# Allegro board Microroc_Hardroc2b_Test_Board.brd (continued)
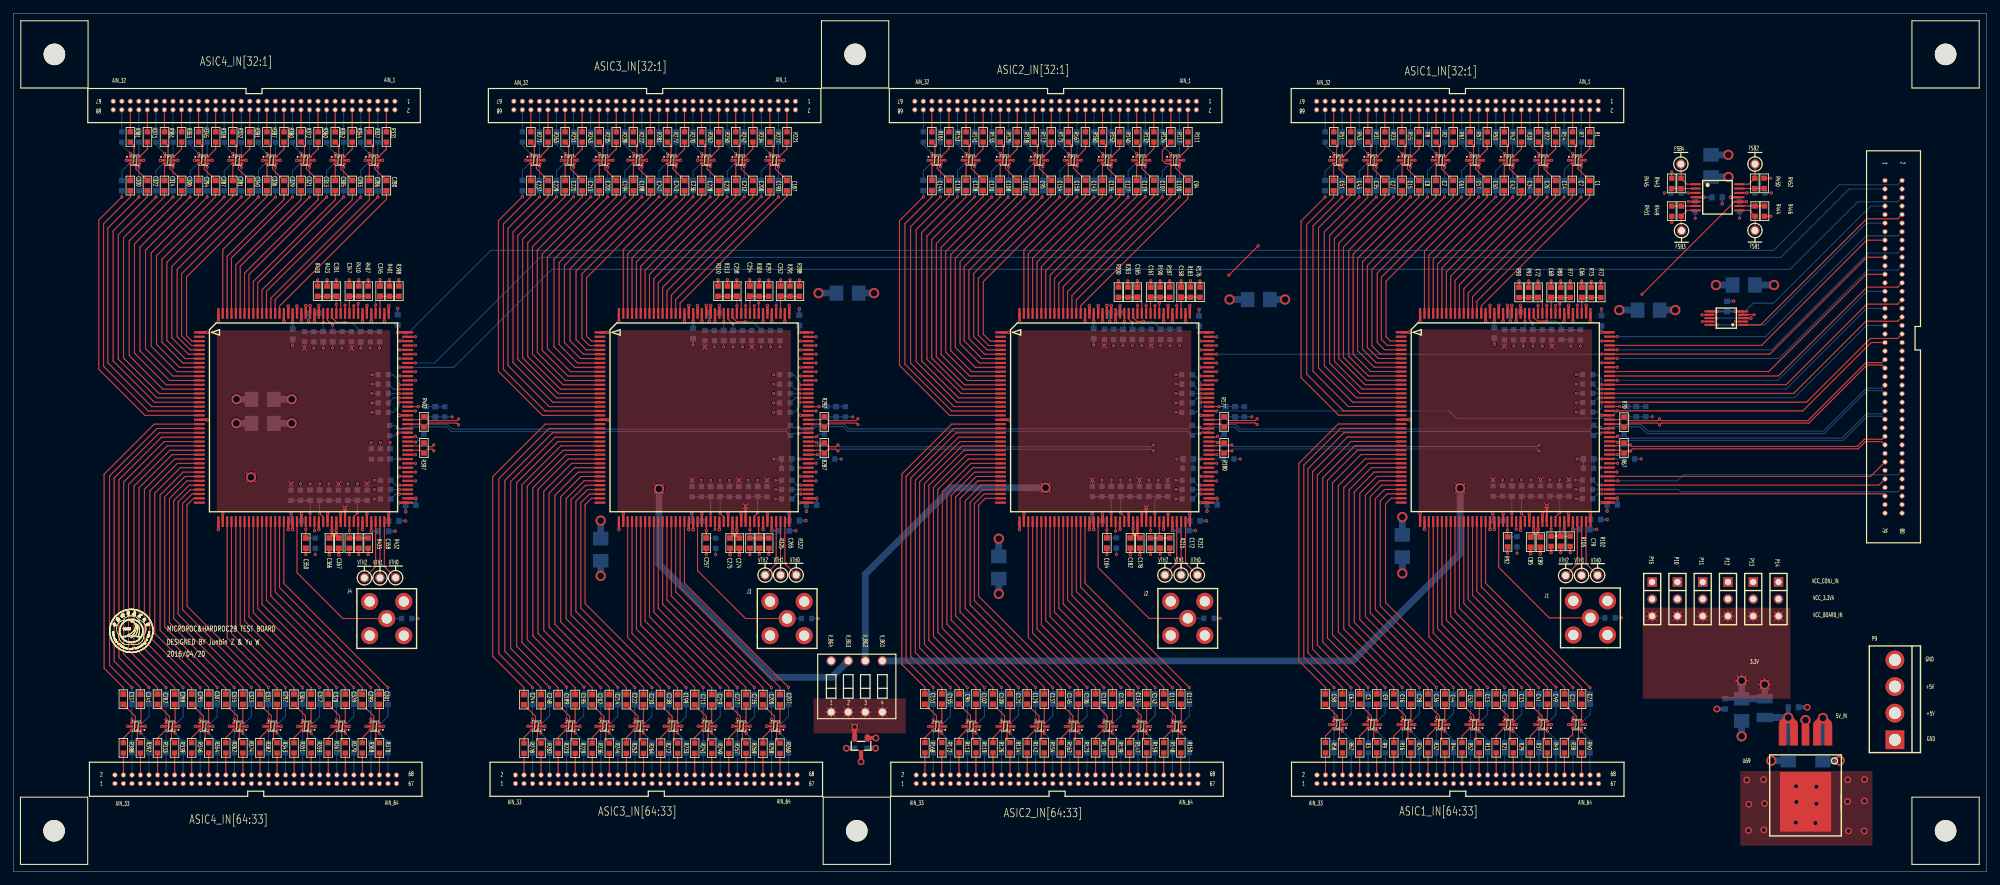
[diagram p0: board, top side]
## Routing (per net, layer and track width the routed paths; a pad name or vN(x,y) marks a point on that pad's centre or on a via; arc(x,y) is an arc through that point) (continued)
AIN37_ASIC4: length 47.4
  TOP w0.152: U68.26 22.44,64.02 16.41,57.99 16.41,32.41 21.44,27.38 C282.2
AIN38_ASIC1: length 48.6
  TOP w0.152: U17.27 199.61,63.39 194.84,58.62 194.84,34.16 v1(201.6,27.41)
  BOTTOM w0.152: v1(201.6,27.41) C6.2
AIN38_ASIC2: length 47.6
  TOP w0.152: v1(141.96,27.41) 135.56,33.81 135.56,57.76 141.17,63.37 U34.27
  BOTTOM w0.152: v1(141.96,27.41) C99.2
AIN38_ASIC3: length 48
  TOP w0.152: v1(82.32,27.46) 75.67,34.11 75.67,57.58 81.46,63.37 U51.27
  BOTTOM w0.152: v1(82.32,27.46) C192.2
AIN38_ASIC4: length 46.5
  TOP w0.152: U68.27 22.86,63.37 17.12,57.63 17.12,32.99 v1(22.71,27.41)
  BOTTOM w0.152: C285.2 v1(22.71,27.41)
AIN39_ASIC1: length 47.7
  TOP w0.152: C9.2 202.88,27.44 195.53,34.8 195.53,58.24 200.03,62.74 U17.28
AIN39_ASIC2: length 46.8
  TOP w0.152: U34.28 141.44,62.72 136.22,57.51 136.22,34.44 143.23,27.43 C102.2
AIN39_ASIC3: length 47
  TOP w0.152: U51.28 81.8,62.72 76.45,57.38 76.45,34.52 83.59,27.38 C195.2
AIN39_ASIC4: length 45.4
  TOP w0.152: C288.2 23.99,27.39 17.93,33.45 17.93,57.38 23.28,62.72 U68.28
AIN40_ASIC1: length 46.6
  TOP w0.152: v1(204.14,27.41) 196.29,35.26 196.29,57.86 200.52,62.09 U17.29
  BOTTOM w0.152: v1(204.14,27.41) C12.2
AIN40_ASIC2: length 45.9
  TOP w0.152: U34.29 141.8,62.07 136.91,57.18 136.91,35 v1(144.5,27.41)
  BOTTOM w0.152: v1(144.5,27.41) C105.2
AIN40_ASIC3: length 46
  TOP w0.152: v1(84.91,27.46) 77.29,35.08 77.29,57.12 82.24,62.07 U51.29
  BOTTOM w0.152: v1(84.91,27.46) 84.91,26.42 C198.2
AIN40_ASIC4: length 44.5
  TOP w0.152: v1(25.25,27.41) 18.69,33.96 18.69,57.15 23.62,62.07 U68.29
  BOTTOM w0.152: C291.2 v1(25.25,27.41)
AIN41_ASIC1: length 45.4
  TOP w0.152: C16.2 205.41,27.43 197.15,35.69 197.15,57.45 201.14,61.44 U17.30
AIN41_ASIC2: length 45
  TOP w0.152: U34.30 142.12,61.42 137.57,56.87 137.57,35.61 145.77,27.41 C109.2
AIN41_ASIC3: length 45
  TOP w0.152: C202.2 86.13,27.38 78.05,35.46 78.05,56.9 82.58,61.42 U51.30
AIN41_ASIC4: length 43.5
  TOP w0.152: C295.2 26.53,27.34 19.48,34.39 19.48,56.9 24.01,61.42 U68.30
AIN42_ASIC1: length 44.4
  TOP w0.152: U17.31 201.61,60.79 197.97,57.15 197.97,36.12 v1(206.68,27.41)
  BOTTOM w0.152: v1(206.68,27.41) C20.2
AIN42_ASIC2: length 44.2
  TOP w0.152: U34.31 142.46,60.77 138.23,56.54 138.23,36.22 v1(147.04,27.41)
  BOTTOM w0.152: v1(147.04,27.41) C117.2
AIN42_ASIC3: length 43.8
  TOP w0.152: U51.31 83.07,60.77 78.92,56.62 78.92,35.89 v1(87.4,27.41)
  BOTTOM w0.152: v1(87.4,27.41) C210.2
AIN42_ASIC4: length 42.4
  TOP w0.152: U68.31 24.4,60.77 20.29,56.67 20.29,34.9 v1(27.79,27.41)
  BOTTOM w0.152: C303.2 v1(27.79,27.41)
AIN43_ASIC1: length 43.3
  TOP w0.152: U17.32 202.07,60.14 198.75,56.82 198.75,36.65 207.96,27.44 C28.2
AIN43_ASIC2: length 43.3
  TOP w0.152: U34.32 142.77,60.12 138.91,56.26 138.91,36.83 148.31,27.43 C121.2
AIN43_ASIC3: length 42.8
  TOP w0.152: U51.32 83.49,60.12 79.71,56.34 79.71,36.4 88.67,27.43 C214.2
AIN43_ASIC4: length 41.5
  TOP w0.152: C307.2 29.06,27.43 21.03,35.46 21.03,56.34 24.82,60.12 U68.32
AIN44_ASIC1: length 42.3
  TOP w0.152: v1(209.22,27.41) 199.54,37.08 199.54,56.54 202.49,59.49 U17.33
  BOTTOM w0.152: v1(209.22,27.41) C32.2
AIN44_ASIC2: length 42.5
  TOP w0.152: v1(149.58,27.41) 139.55,37.44 139.55,55.98 143.04,59.47 U34.33
  BOTTOM w0.152: v1(149.58,27.41) C125.2
AIN44_ASIC3: length 41.7
  TOP w0.152: v1(89.94,27.43) 80.57,36.8 80.57,56.01 84.03,59.47 U51.33
  BOTTOM w0.152: v1(89.94,27.43) C218.2
AIN44_ASIC4: length 40.4
  TOP w0.152: U68.33 25.23,59.47 21.82,56.06 21.82,35.92 v1(30.33,27.41)
  BOTTOM w0.152: C311.2 v1(30.33,27.41)
AIN45_ASIC1: length 41.3
  TOP w0.152: C36.2 210.48,27.39 200.36,37.52 200.36,56.31 202.88,58.84 U17.34
AIN45_ASIC2: length 41.7
  TOP w0.152: C129.2 150.85,27.43 140.21,38.07 140.21,55.75 143.28,58.82 U34.34
AIN45_ASIC3: length 40.6
  TOP w0.152: C222.2 91.21,27.41 81.43,37.19 81.43,55.8 84.45,58.82 U51.34
AIN45_ASIC4: length 39.6
  TOP w0.152: C315.2 31.6,27.33 22.5,36.42 22.5,55.8 25.52,58.82 U68.34
AIN46_ASIC1: length 40.2
  TOP w0.152: U17.35 203.32,58.19 201.19,56.06 201.19,37.97 v1(211.76,27.41)
  BOTTOM w0.152: v1(211.76,27.41) C40.2
AIN46_ASIC2: length 40.9
  TOP w0.152: U34.35 143.52,58.17 140.87,55.52 140.87,38.66 v1(152.12,27.41)
  BOTTOM w0.152: v1(152.12,27.41) C133.2
AIN46_ASIC3: length 39.5
  TOP w0.152: v1(92.48,27.41) 82.25,37.64 82.25,55.52 84.89,58.17 U51.35
  BOTTOM w0.152: v1(92.48,27.41) C226.2
AIN46_ASIC4: length 38.7
  TOP w0.152: U68.35 25.84,58.17 23.22,55.55 23.22,37.06 v1(32.87,27.41)
  BOTTOM w0.152: C319.2 v1(32.87,27.41)
AIN47_ASIC1: length 39.3
  TOP w0.152: U17.36 203.61,57.54 201.9,55.83 201.9,38.51 213.02,27.39 C44.2
AIN47_ASIC2: length 39.8
  TOP w0.152: U34.36 143.98,57.52 141.63,55.17 141.63,39.22 153.4,27.45 C137.2
AIN47_ASIC3: length 38.6
  TOP w0.152: U51.36 85.16,57.52 82.98,55.35 82.98,38.2 93.75,27.43 C230.2
AIN47_ASIC4: length 37.8
  TOP w0.152: U68.36 26.15,57.52 23.85,55.22 23.85,37.69 34.14,27.41 C323.2
AIN48_ASIC1: length 38.3
  TOP w0.152: v1(214.3,27.41) 202.67,39.04 202.67,55.52 204.03,56.89 U17.37
  BOTTOM w0.152: v1(214.3,27.41) C48.2
AIN48_ASIC2: length 38.9
  TOP w0.152: v1(154.66,27.41) 142.37,39.7 142.37,54.99 144.25,56.87 146.89,56.87 U34.37
  BOTTOM w0.152: C141.2 v1(154.66,27.41)
AIN48_ASIC3: length 37.8
  TOP w0.152: U51.37 85.42,56.87 83.69,55.14 83.69,38.73 v1(95.02,27.41)
  BOTTOM w0.152: v1(95.02,27.41) C234.2
AIN48_ASIC4: length 37.1
  TOP w0.152: U68.37 26.34,56.87 24.51,55.04 24.51,38.3 v1(35.41,27.41)
  BOTTOM w0.152: C327.2 v1(35.41,27.41)
AIN49_ASIC1: length 37.3
  TOP w0.152: U17.38 204.45,56.24 203.4,55.19 203.4,39.55 215.58,27.37 C52.2
AIN49_ASIC2: length 38.2
  TOP w0.152: U34.38 144.46,56.22 143,54.76 143,40.34 155.94,27.4 C145.2
AIN49_ASIC3: length 36.9
  TOP w0.152: C238.2 96.29,27.38 84.43,39.24 84.43,54.91 85.74,56.22 U51.38
AIN49_ASIC4: length 36.2
  TOP w0.152: U68.38 26.58,56.22 25.17,54.81 25.17,38.99 36.68,27.48 C331.2
AIN50_ASIC1: length 36.2
  TOP w0.152: v1(216.84,27.41) 204.19,40.06 204.19,54.76 205.02,55.59 U17.39
  BOTTOM w0.152: v1(216.84,27.41) C56.2
AIN50_ASIC2: length 37.4
  TOP w0.152: v1(157.2,27.43) 143.64,41 143.64,54.58 144.63,55.57 U34.39
  BOTTOM w0.152: v1(157.2,27.43) C149.2
AIN50_ASIC3: length 36
  TOP w0.152: v1(97.56,27.41) 85.06,39.9 85.06,54.61 86.03,55.57 U51.39
  BOTTOM w0.152: v1(97.56,27.41) C242.2
AIN50_ASIC4: length 35.4
  TOP w0.152: U68.39 26.82,55.57 25.83,54.58 25.83,39.52 v1(37.95,27.41)
  BOTTOM w0.152: C335.2 v1(37.95,27.41)
AIN51_ASIC1: length 28.8
  TOP w0.152: U17.43 210.63,34.94 218.12,27.44 C13.2
AIN51_ASIC2: length 28.7
  TOP w0.152: U34.43 151.02,34.89 158.47,27.43 C106.2
AIN51_ASIC3: length 28.8
  TOP w0.152: U51.43 91.4,34.84 98.83,27.41 C199.2
AIN51_ASIC4: length 28.8
  TOP w0.152: U68.43 31.8,34.8 39.23,27.37 C292.2
AIN52_ASIC1: length 29
  TOP w0.152: U17.44 211.28,35.51 v1(219.38,27.41)
  BOTTOM w0.152: v1(219.38,27.41) C17.2
AIN52_ASIC2: length 29
  TOP w0.152: v1(159.77,27.41) 151.67,35.51 U34.44
  BOTTOM w0.152: C110.2 v1(159.77,27.41)
AIN52_ASIC3: length 29.1
  TOP w0.152: U51.44 92.05,35.46 v1(100.1,27.41)
  BOTTOM w0.152: v1(100.1,27.41) C203.2
AIN52_ASIC4: length 29
  TOP w0.152: v1(40.49,27.41) 32.45,35.45 U68.44
  BOTTOM w0.152: C296.2 v1(40.49,27.41)
AIN53_ASIC1: length 29.3
  TOP w0.152: C25.2 220.66,27.44 211.93,36.18 U17.45
AIN53_ASIC2: length 29.3
  TOP w0.152: U34.45 152.32,36.13 161.04,27.41 C118.2
AIN53_ASIC3: length 29.3
  TOP w0.152: C211.2 101.37,27.43 92.7,36.1 U51.45
AIN53_ASIC4: length 29.3
  TOP w0.152: U68.45 33.1,36.02 41.74,27.37 C304.2
AIN54_ASIC1: length 29.5
  TOP w0.152: U17.46 212.58,36.75 v1(221.92,27.41)
  BOTTOM w0.152: v1(221.92,27.41) C29.2
AIN54_ASIC2: length 29.5
  TOP w0.152: U34.46 152.97,36.72 v1(162.28,27.41)
  BOTTOM w0.152: v1(162.28,27.41) C122.2
AIN54_ASIC3: length 29.6
  TOP w0.152: v1(102.64,27.41) 93.35,36.7 U51.46
  BOTTOM w0.152: v1(102.64,27.41) C215.2
AIN54_ASIC4: length 29.5
  TOP w0.152: U68.46 33.75,36.69 v1(43.03,27.41)
  BOTTOM w0.152: C308.2 v1(43.03,27.41)
AIN55_ASIC1: length 29.8
  TOP w0.152: U17.47 213.23,37.45 223.19,27.48 C33.2
AIN55_ASIC2: length 29.8
  TOP w0.152: U34.47 153.62,37.39 163.55,27.46 C126.2
AIN55_ASIC3: length 29.8
  TOP w0.152: U51.47 94,37.32 103.91,27.41 C219.2
AIN55_ASIC4: length 29.8
  TOP w0.152: U68.47 34.4,37.31 44.3,27.41 C312.2
AIN56_ASIC1: length 30.1
  TOP w0.152: U17.48 213.88,37.99 v1(224.46,27.41)
  BOTTOM w0.152: v1(224.46,27.41) C37.2
AIN56_ASIC2: length 30
  TOP w0.152: v1(164.82,27.41) 154.25,37.97 154.25,52.09 U34.48
  BOTTOM w0.152: C130.2 v1(164.82,27.41)
AIN56_ASIC3: length 30.1
  TOP w0.152: v1(105.18,27.41) 94.65,37.94 U51.48
  BOTTOM w0.152: v1(105.18,27.41) C223.2
AIN56_ASIC4: length 30
  TOP w0.152: v1(45.57,27.41) 35.05,37.93 U68.48
  BOTTOM w0.152: C316.2 v1(45.57,27.41)
AIN57_ASIC1: length 30.3
  TOP w0.152: C41.2 225.72,27.42 214.53,38.61 U17.49
AIN57_ASIC2: length 30.3
  TOP w0.152: U34.49 154.92,38.63 166.12,27.43 C134.2
AIN57_ASIC3: length 30.4
  TOP w0.152: U51.49 95.3,38.61 106.46,27.44 C227.2
AIN57_ASIC4: length 30.3
  TOP w0.152: U68.49 35.7,38.55 46.84,27.41 C320.2
AIN58_ASIC1: length 30.6
  TOP w0.152: v1(227,27.41) 215.18,39.23 U17.50
  BOTTOM w0.152: v1(227,27.41) C45.2
AIN58_ASIC2: length 30.6
  TOP w0.152: U34.50 155.57,39.23 v1(167.39,27.41)
  BOTTOM w0.152: v1(167.39,27.41) C138.2
AIN58_ASIC3: length 30.6
  TOP w0.152: U51.50 95.95,39.18 v1(107.72,27.41)
  BOTTOM w0.152: v1(107.72,27.41) C231.2
AIN58_ASIC4: length 30.6
  TOP w0.152: U68.50 36.35,39.17 v1(48.11,27.41)
  BOTTOM w0.152: C324.2 v1(48.11,27.41)
AIN59_ASIC1: length 30.8
  TOP w0.152: C49.2 228.28,27.44 215.83,39.9 U17.51
AIN59_ASIC2: length 30.8
  TOP w0.152: U34.51 156.22,39.85 168.64,27.42 C142.2
AIN59_ASIC3: length 30.9
  TOP w0.152: U51.51 96.6,39.82 109,27.42 C235.2
AIN59_ASIC4: length 30.8
  TOP w0.152: C328.2 49.38,27.41 37,39.79 U68.51
AIN60_ASIC1: length 31.1
  TOP w0.152: U17.52 216.48,40.52 v1(229.54,27.46)
  BOTTOM w0.152: v1(229.54,27.46) C53.2
AIN60_ASIC2: length 31.1
  TOP w0.152: v1(169.9,27.41) 156.87,40.44 156.87,52.09 U34.52
  BOTTOM w0.152: C146.2 v1(169.9,27.41)
AIN60_ASIC3: length 31.1
  TOP w0.152: v1(110.26,27.41) 97.25,40.42 U51.52
  BOTTOM w0.152: v1(110.26,27.41) C239.2
AIN60_ASIC4: length 31.1
  TOP w0.152: U68.52 37.65,40.41 v1(50.65,27.41)
  BOTTOM w0.152: C332.2 v1(50.65,27.41)
AIN61_ASIC1: length 31.3
  TOP w0.152: U17.53 217.13,41.14 230.82,27.44 C21.2
AIN61_ASIC2: length 31.3
  TOP w0.152: C111.2 171.17,27.43 157.52,41.09 U34.53
AIN61_ASIC3: length 31.4
  TOP w0.152: C205.2 111.53,27.41 97.9,41.04 U51.53
AIN61_ASIC4: length 31.3
  TOP w0.152: C299.2 51.9,27.42 38.3,41.03 U68.53
AIN62_ASIC1: length 31.6
  TOP w0.152: v1(232.08,27.41) 217.78,41.71 U17.54
  BOTTOM w0.152: v1(232.08,27.41) C22.2
AIN62_ASIC2: length 31.6
  TOP w0.152: U34.54 158.17,41.71 v1(172.47,27.41)
  BOTTOM w0.152: v1(172.47,27.41) C112.2
AIN62_ASIC3: length 31.6
  TOP w0.152: v1(112.8,27.41) 98.55,41.66 U51.54
  BOTTOM w0.152: v1(112.8,27.41) C206.2
AIN62_ASIC4: length 31.6
  TOP w0.152: v1(53.19,27.41) 38.95,41.65 U68.54
  BOTTOM w0.152: C300.2 v1(53.19,27.41)
AIN63_ASIC1: length 31.9
  TOP w0.152: U17.55 218.43,42.41 233.36,27.47 C23.2
AIN63_ASIC2: length 31.8
  TOP w0.152: C113.2 173.71,27.46 158.82,42.35 U34.55
AIN63_ASIC3: length 31.9
  TOP w0.152: C207.2 114.07,27.43 99.2,42.3 U51.55
AIN63_ASIC4: length 31.8
  TOP w0.152: C301.2 54.44,27.44 39.6,42.29 U68.55
AIN64_ASIC1: length 32.1
  TOP w0.152: v1(234.62,27.38) 219.08,42.92 U17.56
  BOTTOM w0.152: v1(234.62,27.38) C24.2
AIN64_ASIC2: length 32.1
  TOP w0.152: U34.56 159.47,42.92 v1(174.98,27.41)
  BOTTOM w0.152: v1(174.98,27.41) C114.2
AIN64_ASIC3: length 32.1
  TOP w0.152: v1(115.34,27.43) 99.85,42.92 U51.56
  BOTTOM w0.152: v1(115.34,27.43) C208.2
AIN64_ASIC4: length 32.1
  TOP w0.152: v1(55.73,27.41) 40.25,42.89 U68.56
  BOTTOM w0.152: C302.2 v1(55.73,27.41)
AIN_1_ASIC1: length 3.3
  TOP w0.152: P2.4 R1.1
AIN_1_ASIC2: length 3.3
  TOP w0.152: R111.1 174.78,113.4 P3.4
AIN_1_ASIC3: length 3.3
  TOP w0.152: P5.4 115.1,110.14 R221.1
AIN_1_ASIC4: length 3.3
  TOP w0.152: R331.1 55.5,113.4 P7.4
AIN_2_ASIC1: length 3.3
  BOTTOM w0.152: 233.3,113.41 R4.1
AIN_2_ASIC2: length 3.3
  BOTTOM w0.152: R114.1 173.51,113.4 P3.6
AIN_2_ASIC3: length 3.3
  BOTTOM w0.152: R224.1 113.84,113.4 P5.6
AIN_2_ASIC4: length 3.3
  BOTTOM w0.152: P7.6 54.23,113.4 R334.1
AIN_3_ASIC1: length 3.3
  TOP w0.152: P2.8 232.03,110.16 R7.1
AIN_3_ASIC2: length 3.3
  TOP w0.152: R117.1 172.24,113.4 P3.8
AIN_3_ASIC3: length 3.3
  TOP w0.152: P5.8 112.56,110.14 R227.1
AIN_3_ASIC4: length 3.3
  TOP w0.152: R337.1 52.95,110.14 P7.8
AIN_4_ASIC1: length 3.3
  BOTTOM w0.152: P2.10 R10.1
AIN_4_ASIC2: length 3.3
  BOTTOM w0.152: P3.10 170.97,113.4 R120.1
AIN_4_ASIC3: length 3.3
  BOTTOM w0.152: P5.10 111.29,110.15 R230.1
AIN_4_ASIC4: length 3.3
  BOTTOM w0.152: R340.1 51.68,110.14 P7.10
AIN_5_ASIC1: length 3.3
  TOP w0.152: P2.12 R14.1
AIN_5_ASIC2: length 3.3
  TOP w0.152: R124.1 169.7,113.4 P3.12
AIN_5_ASIC3: length 3.3
  TOP w0.152: P5.12 110.02,110.14 R234.1
AIN_5_ASIC4: length 3.3
  TOP w0.152: P7.12 50.41,110.14 R344.1
AIN_6_ASIC1: length 3.3
  BOTTOM w0.152: P2.14 R18.1
AIN_6_ASIC2: length 3.3
  BOTTOM w0.152: P3.14 168.43,113.4 R128.1
AIN_6_ASIC3: length 3.3
  BOTTOM w0.152: P5.14 108.75,110.14 R238.1
AIN_6_ASIC4: length 3.3
  BOTTOM w0.152: R348.1 49.14,110.14 P7.14
AIN_7_ASIC1: length 3.3
  TOP w0.152: P2.16 R22.1
AIN_7_ASIC2: length 3.3
  TOP w0.152: P3.16 167.16,113.4 R132.1
AIN_7_ASIC3: length 3.3
  TOP w0.152: R242.1 107.48,110.14 P5.16
AIN_7_ASIC4: length 3.3
  TOP w0.152: R352.1 47.87,110.14 P7.16
AIN_8_ASIC1: length 3.3
  BOTTOM w0.152: 225.68,113.41 R26.1
AIN_8_ASIC2: length 3.3
  BOTTOM w0.152: R136.1 165.89,113.4 P3.18
AIN_8_ASIC3: length 3.3
  BOTTOM w0.152: R246.1 106.21,110.14 P5.18
AIN_8_ASIC4: length 3.3
  BOTTOM w0.152: R356.1 46.6,110.14 P7.18
AIN_9_ASIC1: length 3.3
  TOP w0.152: P2.20 R30.1
AIN_9_ASIC2: length 3.3
  TOP w0.152: P3.20 164.62,113.4 R140.1
AIN_9_ASIC3: length 3.3
  TOP w0.152: P5.20 104.94,110.14 R250.1
AIN_9_ASIC4: length 3.3
  TOP w0.152: R360.1 45.33,110.14 P7.20
AIN_10_ASIC1: length 3.3
  BOTTOM w0.152: P2.22 R34.1
AIN_10_ASIC2: length 3.3
  BOTTOM w0.152: P3.22 163.35,113.4 R144.1
AIN_10_ASIC3: length 3.3
  BOTTOM w0.152: P5.22 103.67,110.14 R254.1
AIN_10_ASIC4: length 3.3
  BOTTOM w0.152: R364.1 44.06,110.14 P7.22
AIN_11_ASIC1: length 3.3
  TOP w0.152: P2.24 R42.1
AIN_11_ASIC2: length 3.3
  TOP w0.152: R152.1 P3.24
AIN_11_ASIC3: length 3.3
  TOP w0.152: R262.1 102.4,110.14 P5.24
AIN_11_ASIC4: length 3.3
  TOP w0.152: R372.1 42.79,110.14 P7.24
AIN_12_ASIC1: length 3.3
  BOTTOM w0.152: P2.26 R46.1
AIN_12_ASIC2: length 3.3
  BOTTOM w0.152: P3.26 160.81,113.4 R156.1
AIN_12_ASIC3: length 3.3
  BOTTOM w0.152: P5.26 101.13,110.14 R266.1
AIN_12_ASIC4: length 3.3
  BOTTOM w0.152: R376.1 41.52,110.14 P7.26
AIN_13_ASIC1: length 3.3
  TOP w0.152: P2.28 R50.1
AIN_13_ASIC2: length 3.3
  TOP w0.152: R160.1 P3.28
AIN_13_ASIC3: length 3.3
  TOP w0.152: P5.28 99.86,110.14 R270.1
AIN_13_ASIC4: length 3.3
  TOP w0.152: R380.1 40.25,110.14 P7.28
AIN_14_ASIC1: length 3.3
  BOTTOM w0.152: P2.30 R54.1
AIN_14_ASIC2: length 3.3
  BOTTOM w0.152: R164.1 158.27,113.4 P3.30
AIN_14_ASIC3: length 3.3
  BOTTOM w0.152: P5.30 98.59,110.14 R274.1
AIN_14_ASIC4: length 3.3
  BOTTOM w0.152: R384.1 38.98,110.14 P7.30
AIN_15_ASIC1: length 3.3
  TOP w0.152: P2.32 R57.1
AIN_15_ASIC2: length 3.3
  TOP w0.152: R167.1 P3.32
AIN_15_ASIC3: length 3.3
  TOP w0.152: R277.1 97.32,110.14 P5.32
AIN_15_ASIC4: length 3.3
  TOP w0.152: R387.1 37.71,110.14 P7.32
AIN_16_ASIC1: length 3.3
  BOTTOM w0.152: 215.52,113.41 R59.1
AIN_16_ASIC2: length 3.3
  BOTTOM w0.152: R169.1 155.7,113.39 P3.34
AIN_16_ASIC3: length 3.3
  BOTTOM w0.152: P5.34 96.05,110.14 R279.1
AIN_16_ASIC4: length 3.3
  BOTTOM w0.152: R389.1 36.44,110.14 P7.34
AIN_17_ASIC1: length 3.3
  TOP w0.152: P2.36 R61.1
AIN_17_ASIC2: length 3.3
  TOP w0.152: R171.1 P3.36
AIN_17_ASIC3: length 3.3
  TOP w0.152: R281.1 94.78,110.14 P5.36
AIN_17_ASIC4: length 3.3
  TOP w0.152: P7.36 35.17,110.14 R391.1
AIN_18_ASIC1: length 3.3
  BOTTOM w0.152: P2.38 R63.1
AIN_18_ASIC2: length 3.3
  BOTTOM w0.152: R173.1 153.19,113.4 P3.38
AIN_18_ASIC3: length 3.3
  BOTTOM w0.152: P5.38 93.51,110.14 R283.1
AIN_18_ASIC4: length 3.3
  BOTTOM w0.152: P7.38 33.9,110.14 R393.1
AIN_19_ASIC1: length 3.3
  TOP w0.152: P2.40 R2.1
AIN_19_ASIC2: length 3.3
  TOP w0.152: P3.40 151.92,113.4 R112.1
AIN_19_ASIC3: length 3.3
  TOP w0.152: P5.40 92.24,110.14 R222.1
AIN_19_ASIC4: length 3.3
  TOP w0.152: R332.1 32.63,110.14 P7.40
AIN_20_ASIC1: length 3.3
  BOTTOM w0.152: P2.42 R5.1
AIN_20_ASIC2: length 3.3
  BOTTOM w0.152: P3.42 150.65,113.4 R115.1
AIN_20_ASIC3: length 3.3
  BOTTOM w0.152: R225.1 90.97,110.14 P5.42
AIN_20_ASIC4: length 3.3
  BOTTOM w0.152: R335.1 31.36,110.14 P7.42
AIN_21_ASIC1: length 3.3
  TOP w0.152: P2.44 R8.1
AIN_21_ASIC2: length 3.3
  TOP w0.152: R118.1 149.38,113.4 P3.44
AIN_21_ASIC3: length 3.3
  TOP w0.152: P5.44 89.7,110.14 R228.1
AIN_21_ASIC4: length 3.3
  TOP w0.152: P7.44 30.09,110.14 R338.1
AIN_22_ASIC1: length 3.3
  BOTTOM w0.152: 207.9,113.41 R11.1
AIN_22_ASIC2: length 3.3
  BOTTOM w0.152: P3.46 148.11,113.4 R121.1
AIN_22_ASIC3: length 3.3
  BOTTOM w0.152: P5.46 88.43,110.14 R231.1
AIN_22_ASIC4: length 3.3
  BOTTOM w0.152: P7.46 28.82,110.14 R341.1
AIN_23_ASIC1: length 3.3
  TOP w0.152: P2.48 R15.1
AIN_23_ASIC2: length 3.3
  TOP w0.152: R125.1 146.84,113.4 P3.48
AIN_23_ASIC3: length 3.3
  TOP w0.152: P5.48 87.16,110.14 R235.1
AIN_23_ASIC4: length 3.3
  TOP w0.152: P7.48 27.55,110.14 R345.1
AIN_24_ASIC1: length 3.3
  BOTTOM w0.152: 205.36,113.41 R19.1
AIN_24_ASIC2: length 3.3
  BOTTOM w0.152: R129.1 145.57,113.4 P3.50
AIN_24_ASIC3: length 3.3
  BOTTOM w0.152: P5.50 85.89,110.14 R239.1
AIN_24_ASIC4: length 3.3
  BOTTOM w0.152: P7.50 26.28,110.14 R349.1
AIN_25_ASIC1: length 3.3
  TOP w0.152: P2.52 R23.1
AIN_25_ASIC2: length 3.3
  TOP w0.152: P3.52 144.3,113.4 R133.1
AIN_25_ASIC3: length 3.3
  TOP w0.152: R243.1 84.62,110.14 P5.52
AIN_25_ASIC4: length 3.3
  TOP w0.152: R353.1 25.01,110.14 P7.52
AIN_26_ASIC1: length 3.3
  BOTTOM w0.152: P2.54 R27.1
AIN_26_ASIC2: length 3.3
  BOTTOM w0.152: R137.1 143.03,113.4 P3.54
AIN_26_ASIC3: length 3.3
  BOTTOM w0.152: R247.1 83.35,110.14 P5.54
AIN_26_ASIC4: length 3.3
  BOTTOM w0.152: P7.54 23.74,110.14 R357.1
AIN_27_ASIC1: length 3.3
  TOP w0.152: R31.1 P2.56
AIN_27_ASIC2: length 3.3
  TOP w0.152: P3.56 141.76,113.4 R141.1
AIN_27_ASIC3: length 3.3
  TOP w0.152: P5.56 82.08,110.14 R251.1
AIN_27_ASIC4: length 3.3
  TOP w0.152: R361.1 22.47,110.14 P7.56
AIN_28_ASIC1: length 3.3
  BOTTOM w0.152: R35.1 200.28,113.41
AIN_28_ASIC2: length 3.3
  BOTTOM w0.152: R145.1 140.49,113.4 P3.58
AIN_28_ASIC3: length 3.3
  BOTTOM w0.152: P5.58 80.81,110.14 R255.1
AIN_28_ASIC4: length 3.3
  BOTTOM w0.152: R365.1 21.2,110.14 P7.58
AIN_29_ASIC1: length 3.3
  TOP w0.152: R43.1 P2.60
AIN_29_ASIC2: length 3.3
  TOP w0.152: R153.1 P3.60
AIN_29_ASIC3: length 3.3
  TOP w0.152: R263.1 79.54,110.14 P5.60
AIN_29_ASIC4: length 3.3
  TOP w0.152: R373.1 19.93,110.14 P7.60
AIN_30_ASIC1: length 3.3
  BOTTOM w0.152: R47.1 197.74,113.41
AIN_30_ASIC2: length 3.3
  BOTTOM w0.152: P3.62 137.95,113.4 R157.1
AIN_30_ASIC3: length 3.3
  BOTTOM w0.152: P5.62 78.27,110.14 R267.1
AIN_30_ASIC4: length 3.3
  BOTTOM w0.152: P7.62 18.66,110.14 R377.1
AIN_31_ASIC1: length 3.3
  TOP w0.152: R51.1 P2.64
AIN_31_ASIC2: length 3.3
  TOP w0.152: R161.1 P3.64
AIN_31_ASIC3: length 3.3
  TOP w0.152: P5.64 77,110.14 R271.1
AIN_31_ASIC4: length 3.3
  TOP w0.152: R381.1 17.39,110.14 P7.64
AIN_32_ASIC1: length 3.3
  BOTTOM w0.152: P2.66 R55.1
AIN_32_ASIC2: length 3.3
  BOTTOM w0.152: P3.66 135.41,113.4 R165.1
AIN_32_ASIC3: length 3.3
  BOTTOM w0.152: R275.1 75.73,110.14 P5.66
AIN_32_ASIC4: length 3.3
  BOTTOM w0.152: R385.1 16.12,110.14 P7.66
AIN_33_ASIC1: length 3.3
  TOP w0.152: R58.1 P1.4
AIN_33_ASIC2: length 3.3
  TOP w0.152: P4.4 135.64,14.39 R168.1
AIN_33_ASIC3: length 3.2
  TOP w0.152: R278.1 75.98,17.59 P6.4
AIN_33_ASIC4: length 3.3
  TOP w0.152: P8.4 16.37,17.64 R388.1
AIN_34_ASIC1: length 3.3
  BOTTOM w0.152: R60.1 P1.6
AIN_34_ASIC2: length 3.3
  BOTTOM w0.152: R170.1 136.88,14.38 P4.6
AIN_34_ASIC3: length 3.2
  BOTTOM w0.152: P6.6 77.25,17.59 R280.1
AIN_34_ASIC4: length 3.3
  BOTTOM w0.152: P8.6 17.64,17.64 R390.1
AIN_35_ASIC1: length 3.3
  TOP w0.152: R62.1 P1.8
AIN_35_ASIC2: length 3.3
  TOP w0.152: P4.8 138.15,14.38 R172.1
AIN_35_ASIC3: length 3.2
  TOP w0.152: R282.1 78.52,17.59 P6.8
AIN_35_ASIC4: length 3.3
  TOP w0.152: P8.8 18.91,17.64 R392.1
AIN_36_ASIC1: length 3.3
  BOTTOM w0.152: R64.1 P1.10
AIN_36_ASIC2: length 3.3
  BOTTOM w0.152: R174.1 139.42,14.38 P4.10
AIN_36_ASIC3: length 3.2
  BOTTOM w0.152: R284.1 79.79,17.59 P6.10
AIN_36_ASIC4: length 3.3
  BOTTOM w0.152: R394.1 20.18,17.64 P8.10
AIN_37_ASIC1: length 3.3
  TOP w0.152: R3.1 P1.12
AIN_37_ASIC2: length 3.3
  TOP w0.152: R113.1 140.72,14.39 P4.12
AIN_37_ASIC3: length 3.2
  TOP w0.152: P6.12 81.06,17.59 R223.1
AIN_37_ASIC4: length 3.3
  TOP w0.152: P8.12 21.45,17.64 R333.1
AIN_38_ASIC1: length 3.3
  BOTTOM w0.152: R6.1 P1.14
AIN_38_ASIC2: length 3.3
  BOTTOM w0.152: R116.1 141.96,14.38 P4.14
AIN_38_ASIC3: length 3.2
  BOTTOM w0.152: P6.14 82.33,17.59 R226.1
AIN_38_ASIC4: length 3.3
  BOTTOM w0.152: P8.14 22.72,17.64 R336.1
AIN_39_ASIC1: length 3.3
  TOP w0.152: R9.1 P1.16
AIN_39_ASIC2: length 3.3
  TOP w0.152: R119.1 143.23,14.38 P4.16
AIN_39_ASIC3: length 3.2
  TOP w0.152: P6.16 83.6,17.59 R229.1
AIN_39_ASIC4: length 3.3
  TOP w0.152: R339.1 23.99,17.64 P8.16
AIN_40_ASIC1: length 3.3
  BOTTOM w0.152: R12.1 P1.18
AIN_40_ASIC2: length 3.3
  BOTTOM w0.152: P4.18 144.5,14.38 R122.1
AIN_40_ASIC3: length 3.2
  BOTTOM w0.152: P6.18 84.87,17.59 R232.1
AIN_40_ASIC4: length 3.3
  BOTTOM w0.152: R342.1 25.26,17.64 P8.18
AIN_41_ASIC1: length 3.3
  TOP w0.152: R16.1 P1.20
AIN_41_ASIC2: length 3.3
  TOP w0.152: R126.1 145.77,14.38 P4.20
AIN_41_ASIC3: length 3.2
  TOP w0.152: P6.20 86.14,17.59 R236.1
AIN_41_ASIC4: length 3.3
  TOP w0.152: P8.20 26.53,17.64 R346.1
AIN_42_ASIC1: length 3.3
  BOTTOM w0.152: R20.1 P1.22
AIN_42_ASIC2: length 3.3
  BOTTOM w0.152: P4.22 147.04,14.38 R130.1
AIN_42_ASIC3: length 3.2
  BOTTOM w0.152: R240.1 87.41,17.59 P6.22
AIN_42_ASIC4: length 3.3
  BOTTOM w0.152: P8.22 27.8,17.64 R350.1
AIN_43_ASIC1: length 3.3
  TOP w0.152: R24.1 P1.24
AIN_43_ASIC2: length 3.3
  TOP w0.152: R134.1 148.31,14.38 P4.24
AIN_43_ASIC3: length 3.2
  TOP w0.152: P6.24 88.68,17.59 R244.1
AIN_43_ASIC4: length 3.3
  TOP w0.152: P8.24 29.07,17.64 R354.1
AIN_44_ASIC1: length 3.3
  BOTTOM w0.152: R28.1 P1.26
AIN_44_ASIC2: length 3.3
  BOTTOM w0.152: R138.1 149.58,14.38 P4.26
AIN_44_ASIC3: length 3.2
  BOTTOM w0.152: P6.26 89.95,17.59 R248.1
AIN_44_ASIC4: length 3.3
  BOTTOM w0.152: R358.1 30.34,17.64 P8.26
AIN_45_ASIC1: length 3.3
  TOP w0.152: R32.1 P1.28
AIN_45_ASIC2: length 3.3
  TOP w0.152: R142.1 P4.28
AIN_45_ASIC3: length 3.2
  TOP w0.152: P6.28 91.22,17.59 R252.1
AIN_45_ASIC4: length 3.3
  TOP w0.152: P8.28 31.61,17.64 R362.1
AIN_46_ASIC1: length 3.3
  BOTTOM w0.152: R36.1 P1.30
AIN_46_ASIC2: length 3.3
  BOTTOM w0.152: R146.1 152.12,14.38 P4.30
AIN_46_ASIC3: length 3.2
  BOTTOM w0.152: P6.30 92.49,17.59 R256.1
AIN_46_ASIC4: length 3.3
  BOTTOM w0.152: R366.1 32.88,17.64 P8.30
AIN_47_ASIC1: length 3.3
  TOP w0.152: R44.1 P1.32
AIN_47_ASIC2: length 3.3
  TOP w0.152: R154.1 P4.32
AIN_47_ASIC3: length 3.2
  TOP w0.152: P6.32 93.76,17.59 R264.1
AIN_47_ASIC4: length 3.3
  TOP w0.152: P8.32 34.15,17.64 R374.1
AIN_48_ASIC1: length 3.3
  BOTTOM w0.152: R48.1 P1.34
AIN_48_ASIC2: length 3.3
  BOTTOM w0.152: P4.34 154.66,14.38 R158.1
AIN_48_ASIC3: length 3.2
  BOTTOM w0.152: R268.1 95.03,17.59 P6.34
AIN_48_ASIC4: length 3.3
  BOTTOM w0.152: P8.34 35.42,17.64 R378.1
AIN_49_ASIC1: length 3.3
  TOP w0.152: R52.1 P1.36
AIN_49_ASIC2: length 3.3
  TOP w0.152: R162.1 P4.36
AIN_49_ASIC3: length 3.2
  TOP w0.152: P6.36 96.3,17.6 R272.1
AIN_49_ASIC4: length 3.3
  TOP w0.152: P8.36 36.69,17.64 R382.1
AIN_50_ASIC1: length 3.3
  BOTTOM w0.152: R56.1 P1.38
AIN_50_ASIC2: length 3.3
  BOTTOM w0.152: P4.38 157.2,14.38 R166.1
AIN_50_ASIC3: length 3.2
  BOTTOM w0.152: R276.1 97.57,17.59 P6.38
AIN_50_ASIC4: length 3.3
  BOTTOM w0.152: R386.1 37.96,17.64 P8.38
AIN_51_ASIC1: length 3.3
  TOP w0.152: R13.1 P1.40
AIN_51_ASIC2: length 3.3
  TOP w0.152: R123.1 158.47,14.38 P4.40
AIN_51_ASIC3: length 3.2
  TOP w0.152: R233.1 98.84,17.59 P6.40
AIN_51_ASIC4: length 3.3
  TOP w0.152: R343.1 39.23,17.64 P8.40
AIN_52_ASIC1: length 3.3
  BOTTOM w0.152: R17.1 P1.42
AIN_52_ASIC2: length 3.3
  BOTTOM w0.152: R127.1 159.77,14.39 P4.42
AIN_52_ASIC3: length 3.2
  BOTTOM w0.152: R237.1 100.11,17.59 P6.42
AIN_52_ASIC4: length 3.3
  BOTTOM w0.152: P8.42 40.5,17.64 R347.1
AIN_53_ASIC1: length 3.3
  TOP w0.152: R21.1 P1.44
AIN_53_ASIC2: length 3.3
  TOP w0.152: R131.1 161.04,14.39 P4.44
AIN_53_ASIC3: length 3.2
  TOP w0.152: R241.1 101.38,17.59 P6.44
